# Altium PCB AIgle_Carrier_Board.PcbDoc
Units mm, origin at the board's own origin, x right, y up, seen from the top; angles counter-clockwise.
Board outline 91 x 51.3 mm, 4 copper layers (Top Layer, Layer 1, Layer 2, Bottom Layer), stack 1.58 mm thick; 132 components, 104 nets, 729 pads, 14 vias.
Unrouted connection lines stored in the file: 448.
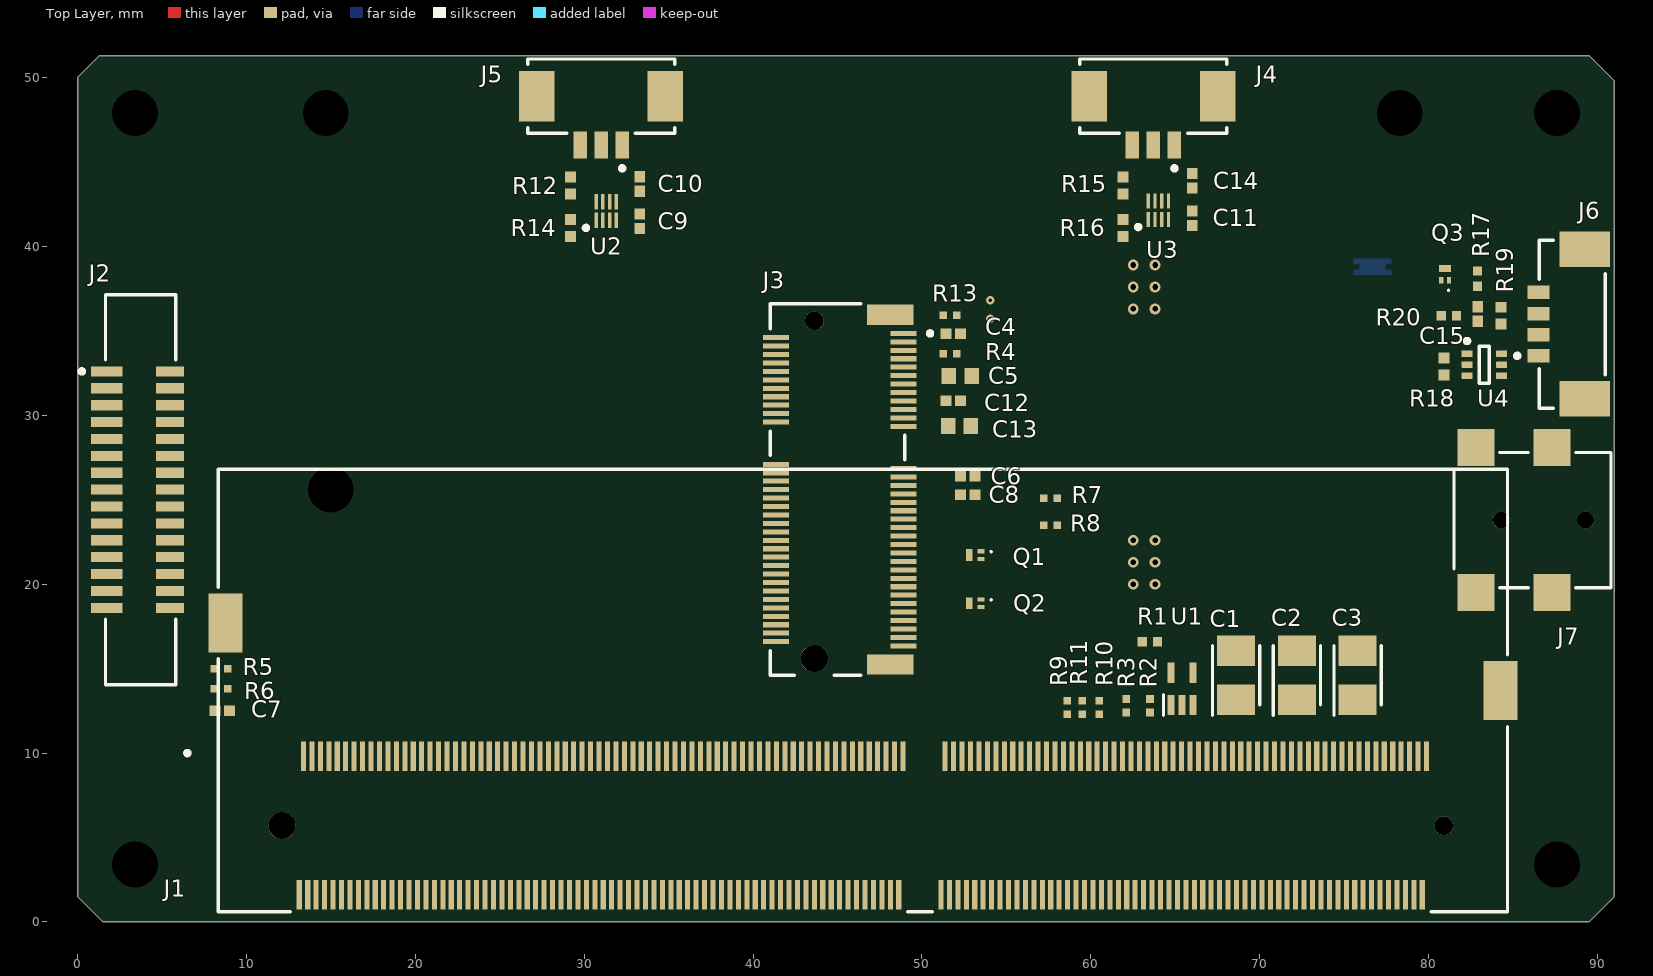
[diagram p0: Top Layer view]
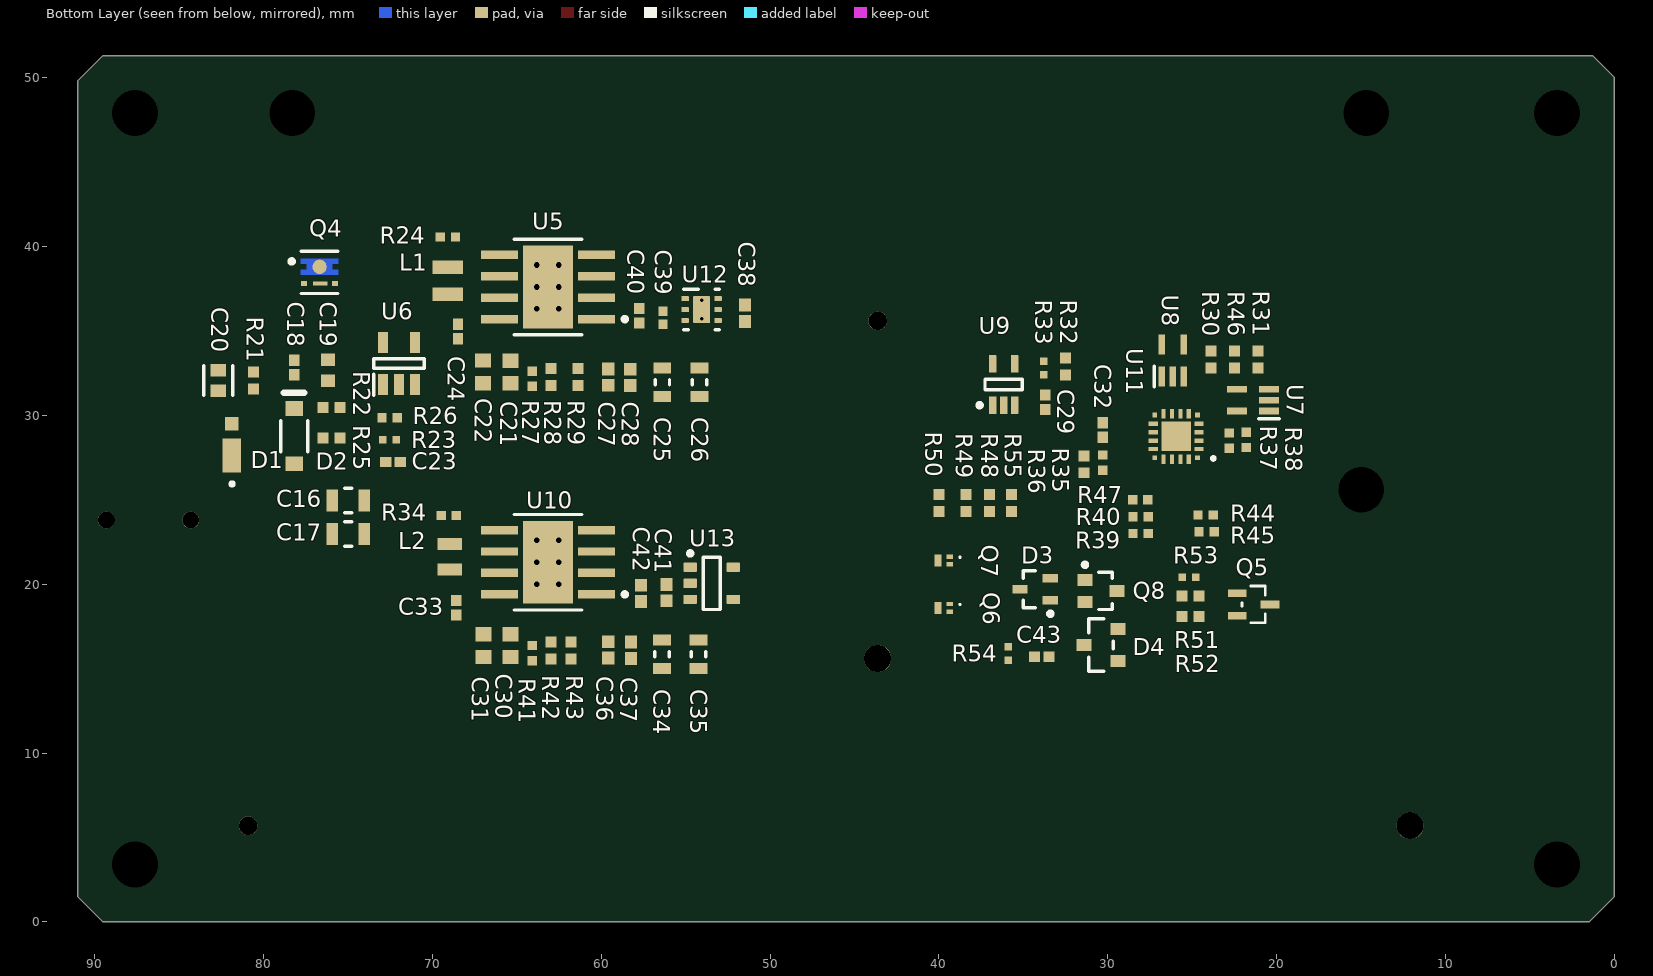
[diagram p1: Bottom Layer view, seen from below]
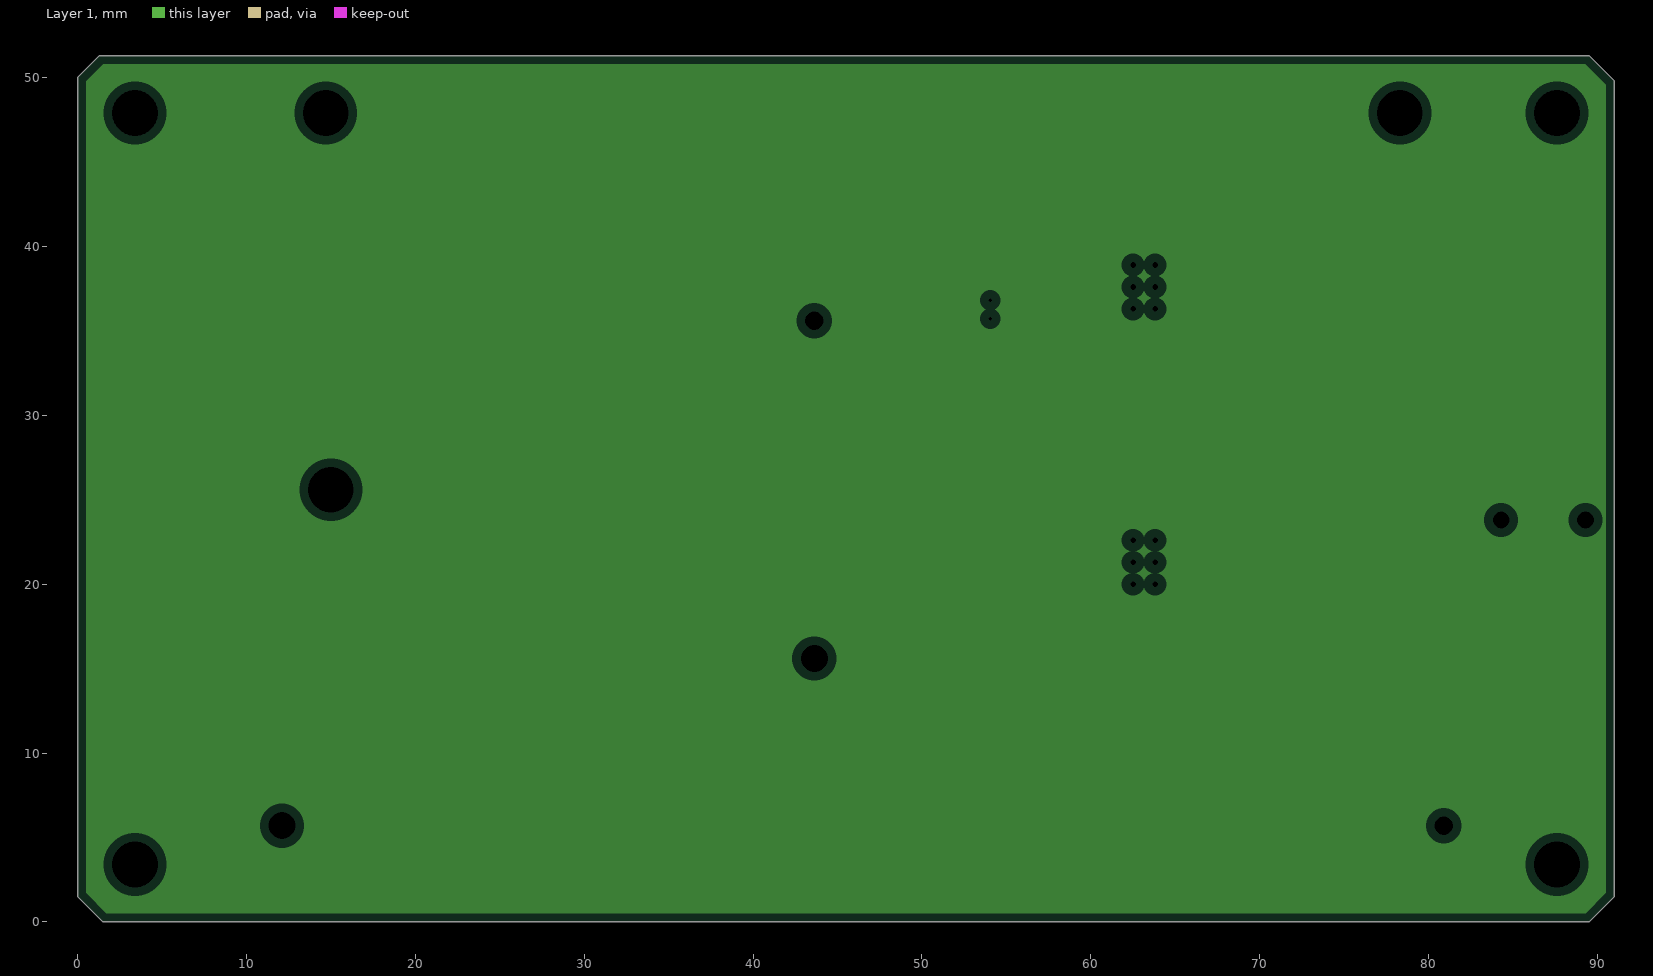
[diagram p2: Layer 1, clearances drawn from the general rule]
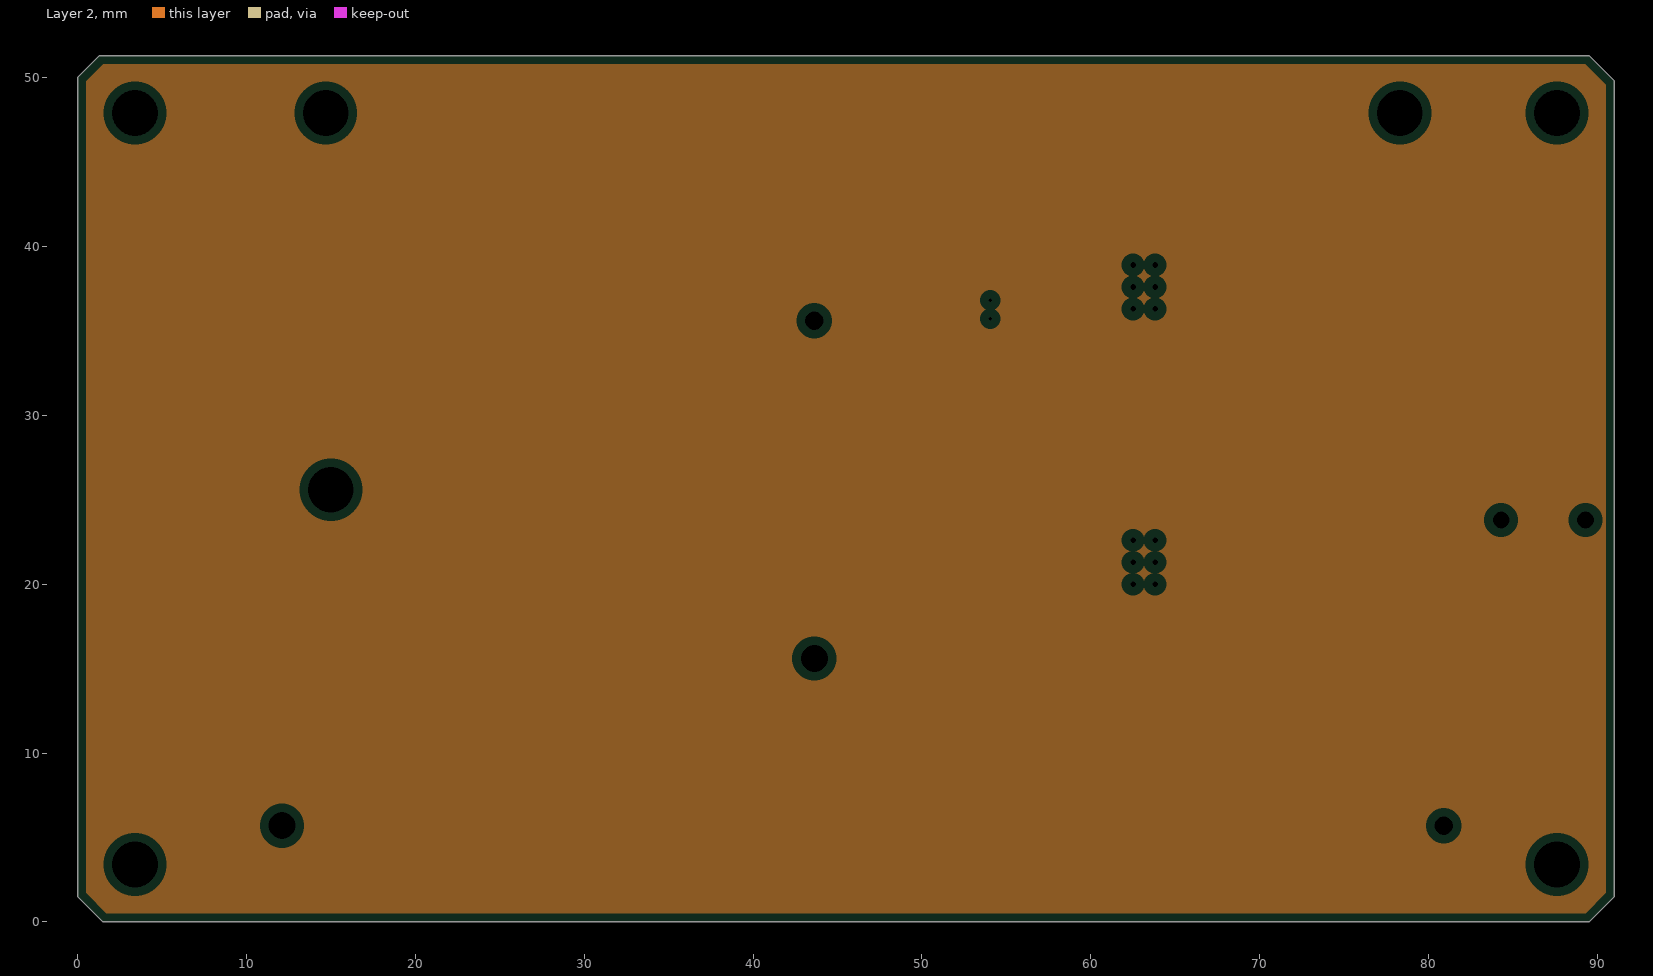
[diagram p3: Layer 2, clearances drawn from the general rule]

## Layer stack, top to bottom
Top Solder: solder mask 0.0102, Solder Resist, Dk 3.5
Top Layer: signal copper 0.035
Dielectric 2: prepreg 0.48, PP-006, Dk 4.1
Layer 1: plane copper 0.035
Dielectric 1: dielectric 0.48, FR-4, Dk 4.8
Layer 2: plane copper 0.035
Dielectric 3: prepreg 0.48, PP-006, Dk 4.1
Bottom Layer: signal copper 0.035
Bottom Solder: solder mask 0.0102, Solder Resist, Dk 3.5

## Board outline
0,1.5 1.5,0 89.5,0 91,1.5 91,49.8 89.5,51.3 1.3,51.3 0,50

## Design rules (kind name [scope] priority, off if disabled: settings)
Clearance [All] p1: gap=0.254 ignorepadtopadclearanceinfootprint=FALSE except(0: Arc-Hole Track-Hole SMDPad-Hole THPad-Hole Via-Hole Fill-Hole Poly-Hole Region-Hole Text-Hole)
PlaneClearance [All] p1: clearance=0.508
PlaneConnect [All] p1: planeconnectstyle=Relief reliefexpansion=0.508 reliefentries=4 reliefconductorwidth=0.254 reliefairgap=0.254
PolygonConnect [All] p1: connectstyle=Relief reliefconductorwidth=0.254 reliefentries=4 polygonreliefangle="90 Angle" airgapwidth=0.254
RoomDefinition SODIMM_Connector [InComponentClass('SODIMM_Connector')] p1: confinementstyle=ConfineIn formatcopy=TRUE lockcomponents=FALSE outline 7.3,0 85.3,0 85.3,10.1 7.3,10.1
RoomDefinition Power_Regulation [InComponentClass('Power_Regulation')] p2: confinementstyle=ConfineIn formatcopy=TRUE lockcomponents=FALSE outline 90.9,62.05 520.899,62.05 520.899,82.95 90.9,82.95
RoomDefinition IO_Connector [InComponentClass('IO_Connector')] p3: confinementstyle=ConfineIn formatcopy=TRUE lockcomponents=FALSE outline 97.5,1.3 322.2,1.3 322.2,27.7 97.5,27.7
RoutingVias [All] p1: holewidth=0.711 width=1.27 viastyle="Through Hole" minholewidth=0.711 minwidth=1.27 maxholewidth=0.711 maxwidth=1.27
SolderMaskExpansion [All] p1: expansion=0.102 istentingtop=FALSE
Width [All] p1: maxlimit=0.254 minlimit=0.254 preferedwidth=0.254
28 further rules are at their usual default settings.

## Classes and differential pairs
component class SODIMM_Connector: C1 C2 C3 J1 R1 R2 R3 U1
component class Power_Regulation: C16 C17 C18 C19 C20 C21 C22 C23 C24 C25 C26 C27 C28 C29 C30 C31 C32 C33 C34 C35 C36 C37 C38 C39 C40 C41 C42 C43 D1 D2 D3 D4 J7 L1 L2 Q4 Q5 Q6 Q7 Q8 R21 R22 R23 R24 R25 R26 R27 R28 R29 R30 R31 R32 R33 R34 R35 R36 R37 R38 R39 R40 R41 R42 R43 R44 R45 R46 R47 R48 R49 R50 R51 R52 R53 R54 R55 U5 U6 U7 U8 U9 U10 U11 U12 U13
component class IO_Connector: C4 C5 C6 C7 C8 C9 C10 C11 C12 C13 C14 C15 J2 J3 J4 J5 J6 Q1 Q2 Q3 R4 R5 R6 R7 R8 R9 R10 R11 R12 R13 R14 R15 R16 R17 R18 R19 R20 U2 U3 U4

## Components (designator, comment, footprint, x,y, rotation, side; value= is the part's Value field where it differs from the comment)
C1 "330uF" CAPPM3528X210N 68.6,14.6 r90 top
C2 "330uF" CAPPM3528X210N 72.2,14.6 r90 top
C3 "330uF" CAPPM3528X210N 75.8,14.6 r90 top
C4 "0.1uF" CAPC1005X55X30NL05T10 51.856,34.832 r0 top
C5 "10uF" CAPC1608X90X35NL10T15 52.262,32.34 r0 top
C6 "0.1uF" CAPC1005X55X30NL05T10 52.7,26.4 r180 top
C7 "0.1uF" CAPC1005X55X30NL05T10 8.57,12.5 r180 top
C8 "0.1uF" CAPC1005X55X30NL05T10 52.7,25.3 r180 top
C9 "0.1uF" CAPC1005X55X30NL05T10 33.3,41.5 r90 top
C10 "0.1uF" CAPC1005X55X30NL05T10 33.3,43.7 r270 top
C11 "0.1uF" CAPC1005X55X30NL05T10 66,41.67 r90 top
C12 "0.1uF" CAPC1005X55X30NL05T10 51.842,30.854 r0 top
C13 "10uF" CAPC1608X90X35NL10T15 52.22,29.382 r0 top
C14 "0.1uF" CAPC1005X55X30NL05T10 66,43.9 r270 top
C15 "0.1uF" CAPC1005X55X30NL05T10 82.9,36 r270 top
C16 "22uF" FP-GRM21-0_2-MFG 74.975,24.965 r180 bottom
C17 "22uF" FP-GRM21-0_2-MFG 74.975,22.965 r180 bottom
C18 "0.1uF" CAPC1005X55X30NL05T10 78.175,32.835 r270 bottom
C19 "1uF" CAPC1608X90X35LL10T15 76.175,32.665 r270 bottom
C20 "4.7uF" FP-C0603-CG-MFG 82.675,32.065 r270 bottom
C21 "10uF" CAPC1608X90X35NL10T15 65.375,32.565 r270 bottom
C22 "10uF" CAPC1608X90X35NL10T15 67.001,32.573 r270 bottom
C23 "10nF" CAPC1005X55X30NL05T10 72.325,27.237 r180 bottom
C24 "0.1uF" CAPC1005X55X30NL05T10 68.475,34.965 r270 bottom
C25 "22uF" CAPC1608X100X20ML10 56.375,31.965 r270 bottom
C26 "22uF" CAPC1608X100X20ML10 54.175,31.965 r270 bottom
C27 "1uF" CAPC1005X60X30ML05T10 59.575,32.265 r90 bottom
C28 "8.2nF" CAPC1005X55X30ML05T10 58.275,32.245 r90 bottom
C29 "0.1uF" CAPC1005X55X30NL05T10 33.7,30.77 r270 bottom
C30 "10uF" CAPC1608X90X35NL10T15 65.375,16.365 r270 bottom
C31 "10uF" CAPC1608X90X35NL10T15 66.975,16.365 r270 bottom
C32 "0.1uF" CAPC1005X55X30NL05T10 30.3,29.13 r90 bottom
C33 "0.1uF" CAPC1005X55X30NL05T10 68.574,18.61 r270 bottom
C34 "22uF" CAPC1608X100X20ML10 56.399,15.858 r90 bottom
C35 "22uF" CAPC1608X100X20ML10 54.232,15.855 r90 bottom
C36 "1uF" CAPC1005X60X30ML05T10 59.575,16.115 r90 bottom
C37 "8.2nF" CAPC1005X55X30ML05T10 58.24,16.09 r90 bottom
C38 "1uF" CAPC1005X60X30ML05T10 51.475,36.045 r90 bottom
C39 "0.01uF" CAPC1005X55X30LL05T10 56.33,35.77 r90 bottom
C40 "2.2uF" CAPC1005X60X30NL05T10 57.744,35.89 r90 bottom
C41 "1uF" CAPC1005X60X30ML05T10 56.13,19.5 r270 bottom
C42 "1uF" CAPC1005X60X30ML05T10 57.629,19.462 r90 bottom
C43 "10nF" CAPC1005X55X30NL05T10 33.9,15.7 r180 bottom
D1 "MSMP20A-M3_89A" MICROSMP(ESMP) 81.875,28.265 r90 bottom
D2 "MMSZ5248B" FAIR-SOD-123-2_V 78.175,28.765 r90 bottom
D3 "BAT54CW" NXP-SOT323-3_L 34.3,19.7 r0 bottom
D4 "BZX84C3V3-E3-08" FP-6_541-5014_01-4-MFG 30.4,16.4 r0 bottom
J1 "2309413-1" FP-2309413-1-MFG 46.5,13.7 r180 top
J2 "1-1734248-5" FP-1-1734248-5-MFG 3.725,25.6 r90 top
J3 "2199230-4" FP-2199230-4-MFG 45,25.6 r270 top
J4 "53261-0371" FP-53261-0371-MFG 63.7,48.9 r180 top
J5 "53261-0371" FP-53261-0371-MFG 31,48.9 r180 top
J6 "533980471" FP-533980471-MFG 88.5,35.4 r270 top
J7 "694102107102" 694102107102 86.15,23.8 r90 top
L1 "3.3uH" "SMD 0806" 69.075,37.965 r90 bottom
L2 "2.2uH" "SMD 0805-Low profile" 68.975,21.622 r90 bottom
Q1 "DMN26D0UFB4-7" DMN26D0UFB47 53.15,21.725 r0 top
Q2 "DMN26D0UFB4-7" DMN26D0UFB47 53.15,18.875 r0 top
Q3 "DMN26D0UFB4-7" DMN26D0UFB47 80.975,38.35 r270 top
Q4 "SIA483DJ-T1-GE3" FP-C-07431-MFG 76.675,38.465 r270 bottom
Q5 "BSS84W-7-F" SOT65P210X110-3N 21.365,18.8 r180 bottom
Q6 "DMN26D0UFB4-7" DMN26D0UFB47 39.7,18.6 r180 bottom
Q7 "DMN26D0UFB4-7" DMN26D0UFB47 39.7,21.4 r180 bottom
Q8 "2N7002W-7-F" DIOD-SOT323-3_V 30.4,19.6 r180 bottom
R1 "10kOhm" RESC1005X40X25NL05T05 63.5,16.6 r180 top
R2 "47kOhm" RESC1005X40X25LL05T05 63.5,12.8 r270 top
R3 "47kOhm" RESC1005X40X25LL05T05 62.1,12.8 r270 top
R4 "47kOhm" RESC1005X40X25LL05T05 51.67,33.647 r180 top
R5 "47kOhm" RESC1005X40X25LL05T05 8.5,15 r0 top
R6 "47kOhm" RESC1005X40X25LL05T05 8.5,13.8 r0 top
R7 "47kOhm" RESC1005X40X25LL05T05 57.6,25.1 r0 top
R8 "47kOhm" RESC1005X40X25LL05T05 57.6,23.5 r0 top
R9 "47kOhm" RESC1005X40X25LL05T05 58.6,12.7 r90 top
R10 "47kOhm" RESC1005X40X25LL05T05 60.5,12.7 r90 top
R11 "47kOhm" RESC1005X40X25LL05T05 59.5,12.7 r90 top
R12 "100kOhm" RESC1005X40X25ML05T05 29.2,43.6 r270 top
R13 "47kOhm" RESC1005X40X25LL05T05 51.664,35.935 r0 top
R14 "100kOhm" RESC1005X40X25ML05T05 29.2,41.1 r90 top
R15 "100kOhm" RESC1005X40X25ML05T05 61.9,43.6 r270 top
R16 "100kOhm" RESC1005X40X25ML05T05 61.9,41.1 r90 top
R17 "10kOhm" RESC1005X40X25NL05T05 82.9,38.1 r270 top
R18 "100kOhm" RESC1005X40X25ML05T05 80.9,32.9 r90 top
R19 "4.7kOhm" RESC1005X40X25ML05T05 84.3,35.9 r90 top
R20 "10kOhm" RESC1005X40X25NL05T05 81.2,35.9 r0 top
R21 "1Ohm" RESC1005X40X25ML05T05 80.575,32.065 r270 bottom
R22 "100kOhm" RESC1005X40X25ML05T05 75.975,30.465 r180 bottom
R23 "174kOhm" RESC1005X40X25LL05T05 72.525,28.565 r0 bottom
R24 "10kOhm" RESC1005X40X25NL05T05 69.075,40.565 r180 bottom
R25 "100kOhm" RESC1005X40X25ML05T05 75.975,28.665 r0 bottom
R26 "36kOhm" RESC1005X40X25NL05T05 72.525,29.865 r180 bottom
R27 "10kOhm" RESC1005X40X25NL05T05 64.075,32.165 r270 bottom
R28 "124kOhm" RESC1005X40X25ML05T05 62.975,32.265 r90 bottom
R29 "22.1kOhm" RESC1005X40X25ML05T05 61.375,32.265 r270 bottom
R30 "100kOhm" RESC1005X40X25ML05T05 23.9,33.3 r270 bottom
R31 "100kOhm" RESC1005X40X25ML05T05 21.1,33.3 r270 bottom
R32 "100kOhm" RESC1005X40X25ML05T05 32.5,32.9 r90 bottom
R33 "110Ohm" RESC1005X40X25LL05T05 33.8,32.8 r270 bottom
R34 "10kOhm" RESC1005X40X25NL05T05 69.025,24.065 r180 bottom
R35 "10kOhm" RESC1005X40X25NL05T05 30.3,27.2 r90 bottom
R36 "4.7kOhm" RESC1005X40X25ML05T05 31.4,27.1 r90 bottom
R37 "10kOhm" RESC1005X40X25NL05T05 22.8,28.5 r90 bottom
R38 "10kOhm" RESC1005X40X25NL05T05 21.8,28.55 r90 bottom
R39 "10kOhm" RESC1005X40X25NL05T05 28.05,23 r0 bottom
R40 "10kOhm" RESC1005X40X25NL05T05 28.05,24 r0 bottom
R41 "10kOhm" RESC1005X40X25NL05T05 64.075,15.915 r270 bottom
R42 "73.2kOhm" RESC1005X40X25ML05T05 62.975,16.065 r270 bottom
R43 "22.1kOhm" RESC1005X40X25ML05T05 61.775,16.065 r270 bottom
R44 "10kOhm" RESC1005X40X25NL05T05 24.2,24.1 r0 bottom
R45 "10kOhm" RESC1005X40X25NL05T05 24.15,23.1 r0 bottom
R46 "100kOhm" RESC1005X40X25ML05T05 22.5,33.3 r270 bottom
R47 "10kOhm" RESC1005X40X25NL05T05 28.073,25.003 r0 bottom
R48 "100kOhm" RESC1005X40X25ML05T05 37,24.8 r90 bottom
R49 "100kOhm" RESC1005X40X25ML05T05 38.4,24.8 r90 bottom
R50 "5.6Ohm" RESC1005X40X25ML05T05 40,24.8 r90 bottom
R51 "100kOhm" RESC1005X40X25ML05T05 25.1,19.3 r0 bottom
R52 "91kOhm" RESC1005X40X25ML05T05 25.1,18.1 r180 bottom
R53 "14kOhm" RESC1005X40X25LL05T05 25.2,20.4 r180 bottom
R54 "5.11kOhm" RESC1005X40X25LL05T05 35.9,15.9 r90 bottom
R55 "100kOhm" RESC1005X40X25ML05T05 35.7,24.8 r90 bottom
U1 "SN74LVC1G07DCKRE4" SOT65P210X110-5N 65.4,13.8 r90 top
U2 "TXB0302DQMR" SON40P120X180X40-8N 31.3,42.1 r90 top
U3 "TXB0302DQMR" SON40P120X180X40-8N 64,42.15 r90 top
U4 "SN74LVC1T45DCKR" DCK0006A_L 83.3,33 r0 top
U5 "TPS54527DDAR" FP-DDA0008E-MFG 63.15,37.6 r0 bottom
U6 "NCP301LSN20T1G" SOT95P275X110-5N 71.975,33.065 r90 bottom
U7 "SN74LV1T125DCKR" SOT65P210X110-5N 21.4,30.9 r0 bottom
U8 "SN74LV1T125DCKR" SOT65P210X110-5N 26.15,33.25 r90 bottom
U9 "SN74LVC1G07DCKR" DCK0005A_M 36.166,31.825 r90 bottom
U10 "TPS54527DDAR" FP-DDA0008E-MFG 63.15,21.3 r0 bottom
U11 "EFM8SB10F2G-A-QFN20" EFM8SB10F8GAQFN20R 25.949,28.75 r0 bottom
U12 "TPS73533DRVT" DRV0006A_V 54.05,36.265 r180 bottom
U13 "TLV70018DDCT" DDC0005A_L 53.45,20.05 r180 bottom

## Footprints (in the part's own frame and the unit in brackets; to place one, negate y for a bottom-side part, rotate by r counter-clockwise, add the part's x,y. Pads: shape width x height; smd on the part's side, far side on the other; paste and mask are expansions set on the pad)
694102107102 [mm] "DC Power Jack Right Angled Low Profile SMT ?3.9 with 4 soldering pads & pegs"
  rect 2.2x2.2 smd: 1(-4.3,-1.15) 1(-4.3,3.35) 2(4.3,-1.15) 3(4.3,3.35)
  round 1 hole 1 unplated: MH1(0,1.85) MH2(0,-3.15)
  silkscreen extent -4,-4.65 4,4.65, body extent -4.9,-4.65 4.9,4.65, height 5.32
CAPC1005X55X30LL05T10 [mm] "Chip Capacitor, 2-Leads, Body 1.00x0.50mm, IPC High Density"
  rect 0.56x0.52 smd: 1(-0.38,0) 2(0.38,0)
  body extent -0.53,-0.28 0.53,0.28, height 0.55
CAPC1005X55X30ML05T10 [mm] "Chip Capacitor, 2-Leads, Body 1.00x0.50mm, IPC Low Density"
  rect 0.76x0.72 smd: 1(-0.48,0) 2(0.48,0)
  body extent -0.53,-0.28 0.53,0.27, height 0.55
CAPC1005X55X30NL05T10 [mm] "Chip Capacitor, 2-Leads, Body 1.00x0.50mm, IPC Medium Density"
  rect 0.66x0.62 smd: 1(-0.43,0) 2(0.43,0)
  body extent -0.53,-0.28 0.53,0.27, height 0.55
CAPC1005X60X30ML05T10 [mm] "Chip Capacitor, 2-Leads, Body 1.00x0.50mm, IPC Low Density"
  rect 0.76x0.72 smd: 1(-0.48,0) 2(0.48,0)
  body extent -0.53,-0.28 0.53,0.27, height 0.6
CAPC1005X60X30NL05T10 [mm] "Chip Capacitor, 2-Leads, Body 1.00x0.50mm, IPC Medium Density"
  rect 0.66x0.62 smd: 1(-0.43,0) 2(0.43,0)
  body extent -0.53,-0.28 0.53,0.27, height 0.6
CAPC1608X90X35LL10T15 [mm] "Chip Capacitor, 2-Leads, Body 1.60x0.80mm, IPC High Density"
  rect 0.75x0.85 smd: 1(-0.625,0) 2(0.625,0)
  body extent -0.85,-0.45 0.85,0.45, height 0.9
CAPC1608X90X35NL10T15 [mm] "Chip Capacitor, 2-Leads, Body 1.60x0.80mm, IPC Medium Density"
  rect 0.85x0.95 smd: 1(-0.675,0) 2(0.675,0)
  body extent -0.85,-0.45 0.85,0.45, height 0.9
CAPC1608X100X20ML10 [mm] "Chip Capacitor, 2-Leads, Body 1.70x0.90mm, IPC Low Density"
  rect 0.65x1.05 smd: 1(-0.85,0) 2(0.85,0)
  silkscreen extent -0.15,-0.43 0.15,0.43, body extent -0.85,-0.45 0.85,0.45, height 1
CAPPM3528X210N [mm]
  rect 1.8x2.25 smd: 1(-1.45,0) 2(1.45,0)
  silkscreen extent -2.35,-1.4 1.75,1.4, body extent -1.75,-1.4 1.75,1.4, height 2.1
DCK0005A_M [mm] "SOT23, 5-Leads, Body 2.15x1.4mm, Pitch 0.65mm, IPC Low Density"
  rrect22% 1.05x0.45 smd: 1(-1.225,0.65) 2(-1.225,0) 3(-1.225,-0.65) 4(1.225,-0.65) 5(1.225,0.65)
  silkscreen extent -1.35,-1.1 0.3,1.55, body extent -1.14,-1 1.14,1, height 0.94
DCK0006A_L [mm] "SOT23, 6-Leads, Body 2.15x1.4mm, Pitch 0.65mm, IPC High Density"
  rrect25% 0.65x0.4 smd: 1(-1.025,0.65) 2(-1.025,0) 3(-1.025,-0.65) 4(1.025,-0.65) 5(1.025,0) 6(1.025,0.65)
  silkscreen extent -1.15,-1.1 0.3,1.52, body extent -1.14,-1 1.14,1, height 0.94
DDC0005A_L [mm] "SOT23, 5-Leads, Body 3.05x1.75mm, Pitch 0.95mm, IPC High Density"
  rrect18% 0.8x0.55 smd: 1(-1.275,0.95) 2(-1.275,0) 3(-1.275,-0.95) 4(1.275,-0.95) 5(1.275,0.95)
  silkscreen extent -1.4,-1.55 0.5,1.9, body extent -0.88,-1.52 0.87,1.53, height 1.1
DIOD-SOT323-3_V [mm] "SOT323, 3-Leads, Body 2.2x1.35mm, Pitch 0.65mm"
  rect 0.9x0.7 smd: 1(-0.95,0.65) 2(-0.95,-0.65) 3(0.95,0)
  silkscreen extent -1.08,-1.1 0.67,1.67, body extent -1.1,-1.1 1.1,1.1, height 1.07
DMN26D0UFB47 [mm]
  rect 0.4x0.25 smd: 1(0.35,0.225) 2(0.35,-0.225)
  rect 0.4x0.7 smd: 3(-0.35,0)
  silkscreen extent 0.9,0.15 1,0.25, body extent -0.51,-0.33 0.53,0.33, height 0.5
DRV0006A_V [mm] "SON, 6-Leads, Body 2x2mm, Pitch 0.65mm, Thermal Pad 1.6x1mm, TI Recommended"
  rrect33% 0.45x0.3 smd: 1(-0.975,0.65) 2(-0.975,0) 3(-0.975,-0.65) 4(0.975,-0.65) 5(0.975,0) 6(0.975,0.65)
  rrect14% 1x0.7 on Bottom Paste: 7(0,-0.45) 7(0,0.45)
  rrect10% 1x1.6 smd: 7(0,0)
  silkscreen extent -1.05,-1.2 1.05,1.2, body extent -1.05,-1.05 1.05,1.05, height 0.81
EFM8SB10F8GAQFN20R [mm]
  rect 0.29x0.29 smd: 1(-1.265,1.265) 6(-1.265,-1.265) 11(1.265,-1.265) 16(1.265,1.265)
  rect 0.55x0.25 smd: 2(-1.35,0.75) 3(-1.35,0.25) 4(-1.35,-0.25) 5(-1.35,-0.75) 12(1.351,-0.75) 13(1.351,-0.25) 14(1.351,0.25) 15(1.351,0.75)